# KiCad board ciaa_acc.kicad_pcb (continued)
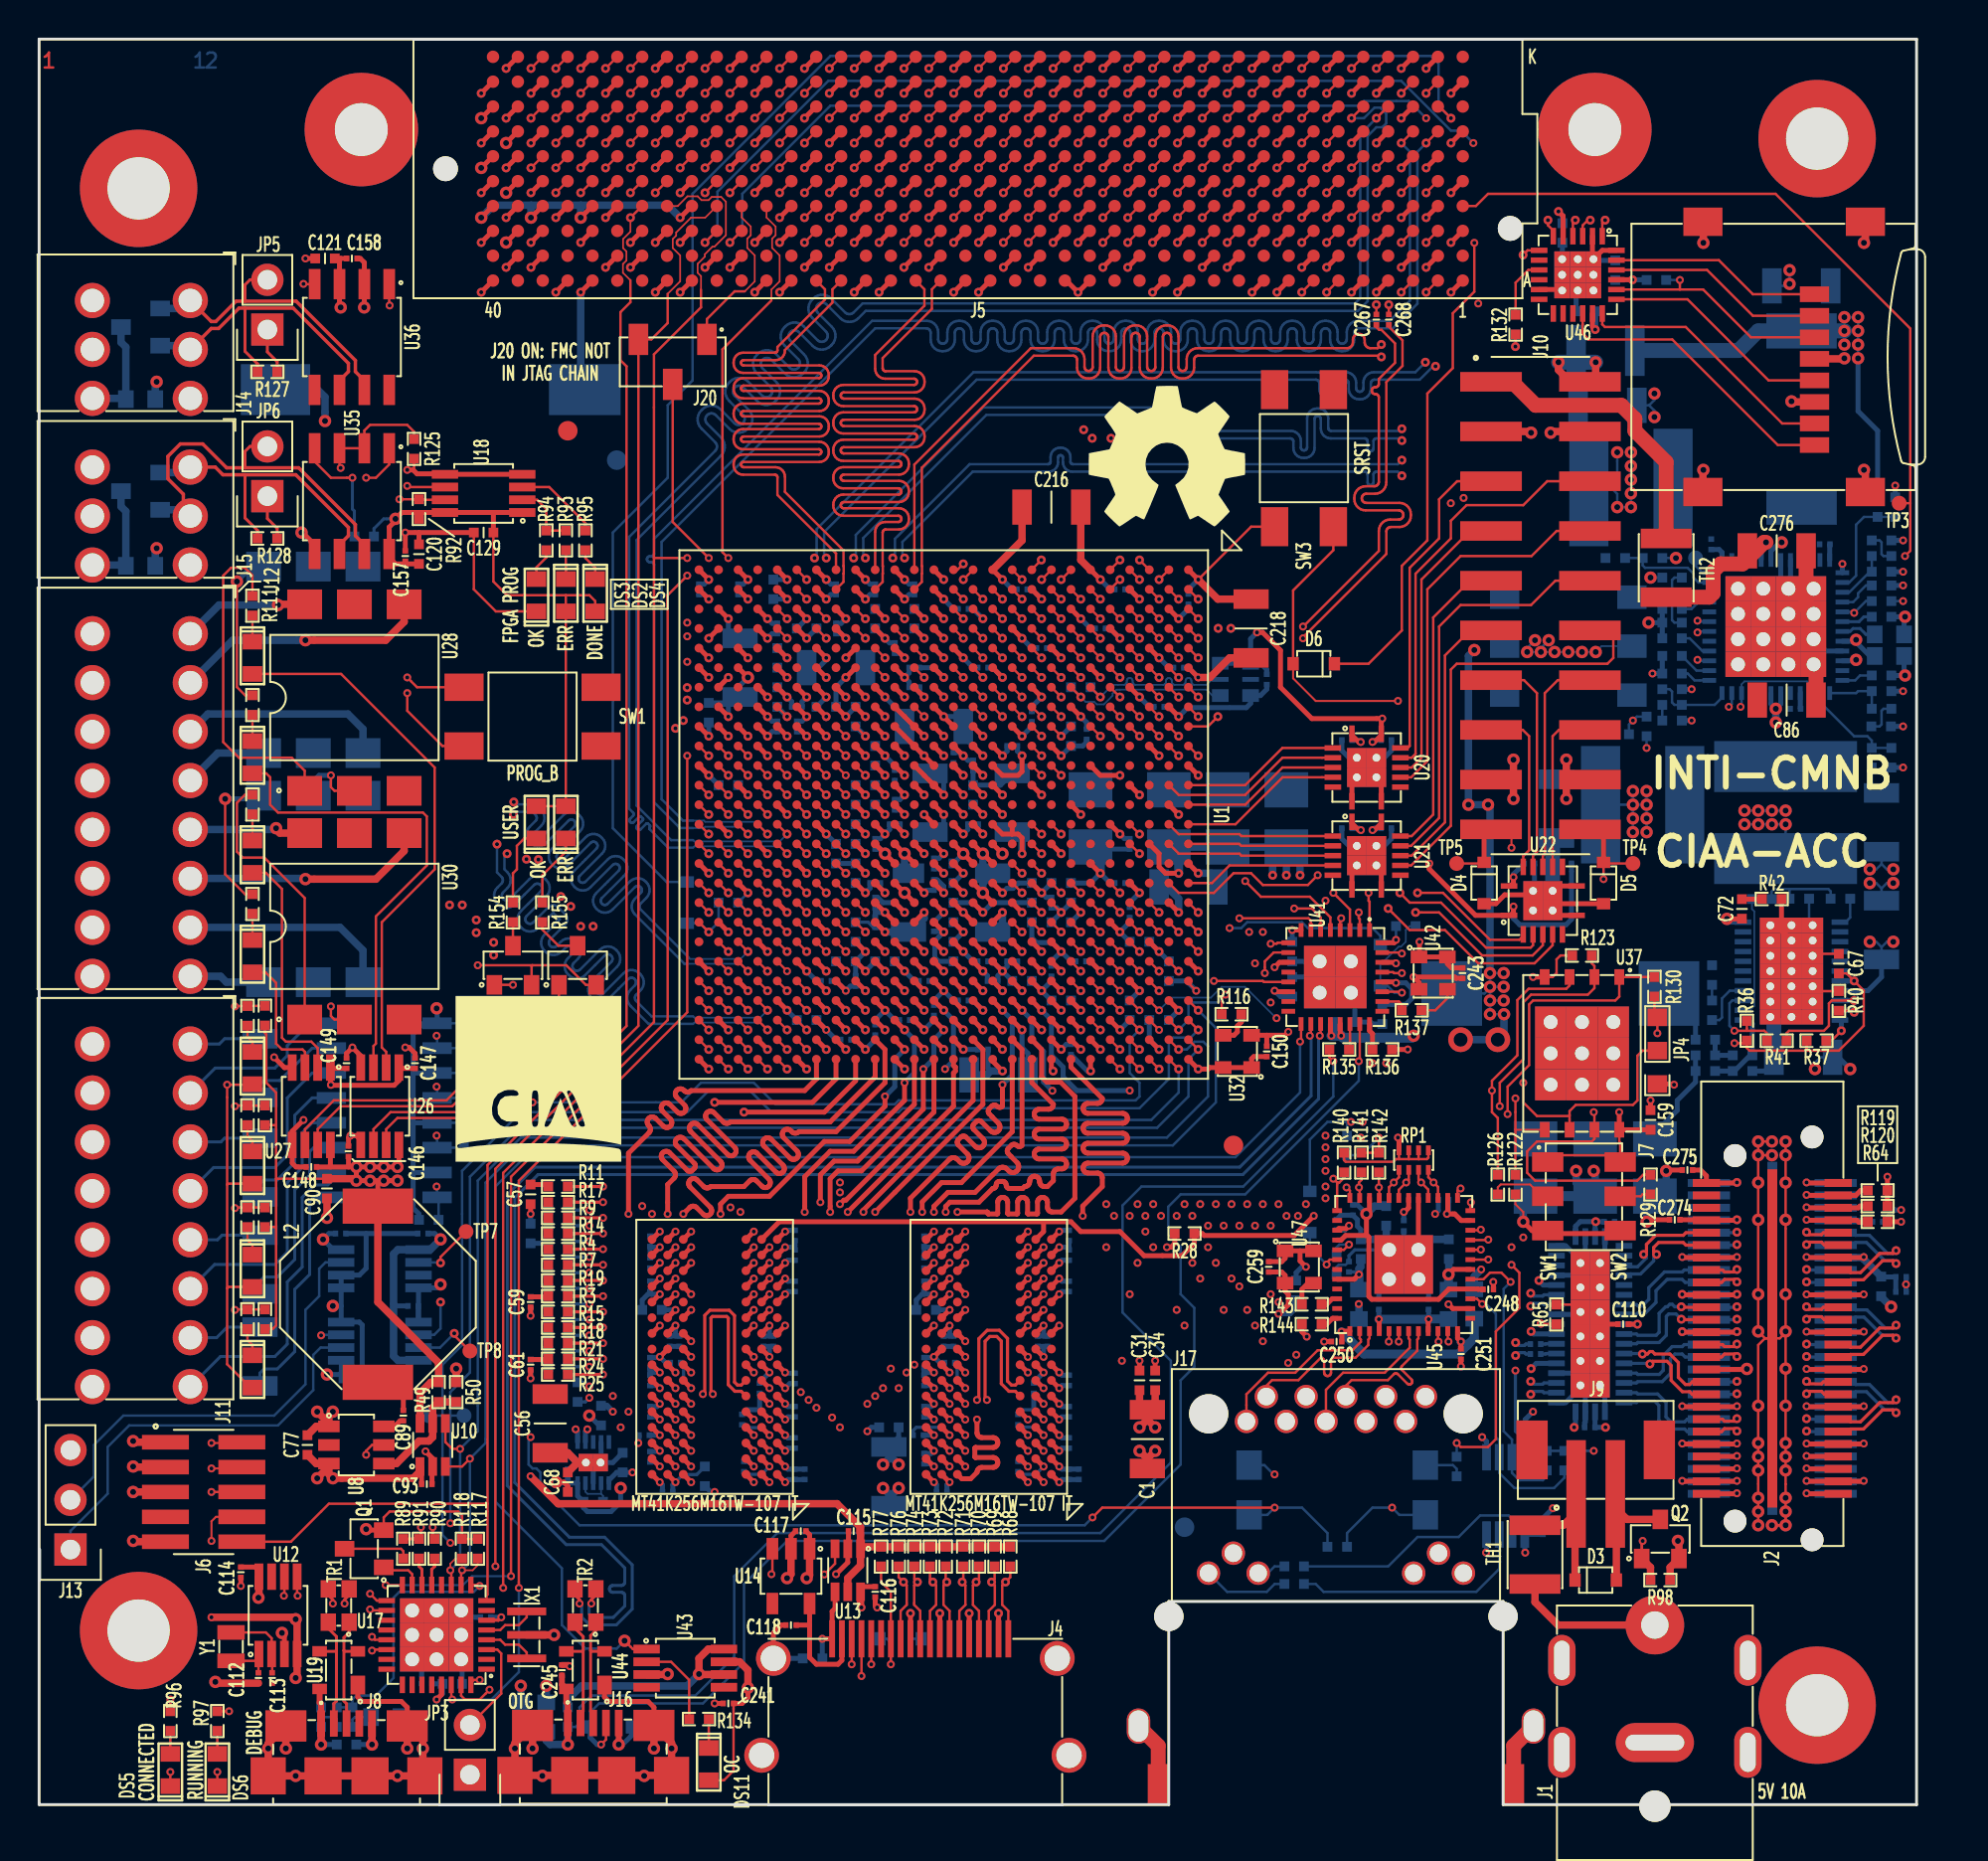
[diagram p0: board, top side]
## Routing (per net, layer and track width the routed paths; a pad name or vN(x,y) marks a point on that pad's centre or on a via; arc(x,y) is an arc through that point) (continued)
/Principal/BANKS_HP/FMC_HB_12_N: length 54.3
  TOP_L1.Sig w0.127: J5.F32 33.33,84.19 v2(32.74,83.59) ; U1.K1 v2(50.2,62.57)
  L5.Sig w0.089: v2(32.74,83.59) 33.25,83.59 33.75,84.1 34.26,84.1 34.52,83.85 34.52,83.34 34.26,83.09 34.01,83.09 33.51,82.59 33.51,80.62 33.18,80.28 32.29,80.28 32.24,80.23 32.24,76.55 29.92,74.23 29.92,74.04 29.91,73.95 29.88,73.86 29.83,73.79 29.77,73.72 29.69,73.67 29.6,73.64 29.51,73.63 28.95,73.63 28.91,73.63 28.88,73.61 28.85,73.59 28.82,73.57 28.8,73.54 28.79,73.5 28.79,73.47 28.79,73.43 28.8,73.4 28.82,73.37 28.85,73.34 28.88,73.32 28.91,73.31 28.95,73.31 29.51,73.31 29.6,73.3 29.69,73.27 29.77,73.22 29.83,73.15 29.88,73.07 29.91,72.99 29.92,72.89 29.92,72.84 29.91,72.75 29.88,72.66 29.83,72.59 29.77,72.52 29.69,72.47 29.6,72.44 29.51,72.43 28.95,72.43 28.91,72.43 28.88,72.41 28.85,72.39 28.82,72.37 28.8,72.34 28.79,72.3 28.79,72.27 28.79,72.23 28.8,72.2 28.82,72.17 28.85,72.14 28.88,72.12 28.91,72.11 28.95,72.11 29.51,72.11 29.6,72.1 29.69,72.07 29.77,72.02 29.83,71.95 29.88,71.87 29.91,71.79 29.92,71.69 29.92,71.64 29.91,71.55 29.88,71.46 29.83,71.39 29.77,71.32 29.69,71.27 29.6,71.24 29.51,71.23 28.95,71.23 28.91,71.23 28.88,71.21 28.85,71.19 28.82,71.17 28.8,71.14 28.79,71.1 28.79,71.07 28.79,71.03 28.8,71 28.82,70.97 28.85,70.94 28.88,70.92 28.91,70.91 28.95,70.91 29.51,70.91 29.6,70.9 29.69,70.87 29.77,70.82 29.83,70.75 29.88,70.67 29.91,70.59 29.92,70.49 29.92,69.59 29.94,69.57 30,69.5 30.04,69.41 30.06,69.32 30.06,69.23 30.04,69.14 30,69.06 29.94,68.98 29.55,68.59 29.52,68.56 29.51,68.53 29.5,68.49 29.5,68.46 29.51,68.42 29.52,68.39 29.55,68.36 29.57,68.34 29.61,68.32 29.64,68.32 29.68,68.32 29.71,68.32 29.74,68.34 29.77,68.36 30.63,69.22 30.69,69.27 30.76,69.3 30.84,69.32 30.91,69.32 30.99,69.3 31.06,69.27 31.12,69.22 31.25,69.08 31.3,69.02 31.34,68.95 31.35,68.88 31.35,68.8 31.34,68.73 31.3,68.66 31.25,68.6 30.39,67.74 30.37,67.71 30.36,67.68 30.35,67.64 30.35,67.61 30.36,67.57 30.37,67.54 30.39,67.51 30.42,67.49 30.45,67.48 30.49,67.47 30.53,67.47 30.56,67.48 30.59,67.49 30.62,67.51 31.02,67.91 31.09,67.97 31.17,68.01 31.26,68.03 31.36,68.03 31.45,68.01 31.53,67.97 31.6,67.91 32.03,67.48 46.26,67.48 49.84,63.9 49.84,62.93 v2(50.2,62.57)
/Principal/BANKS_HP/FMC_HB_12_P: length 54.3
  TOP_L1.Sig w0.127: v2(34.01,83.59) 34.6,84.19 J5.F31 ; U1.K2 v2(50.2,61.57)
  L5.Sig w0.089: v2(50.2,61.57) U1.K2 49.7,62.67 49.56,62.81 49.56,63.78 46.14,67.2 31.92,67.2 31.42,67.69 31.39,67.72 31.36,67.73 31.33,67.74 31.29,67.74 31.26,67.73 31.22,67.72 31.2,67.69 30.8,67.3 30.73,67.24 30.64,67.2 30.55,67.18 30.46,67.18 30.37,67.2 30.29,67.24 30.21,67.3 30.18,67.33 30.12,67.41 30.08,67.49 30.06,67.58 30.06,67.67 30.08,67.76 30.12,67.85 30.18,67.92 31.04,68.78 31.05,68.8 31.06,68.81 31.07,68.83 31.07,68.85 31.06,68.87 31.05,68.89 31.04,68.9 30.93,69.01 30.92,69.02 30.9,69.03 30.88,69.03 30.86,69.03 30.85,69.03 30.83,69.02 30.82,69.01 29.95,68.15 29.88,68.09 29.8,68.05 29.71,68.03 29.61,68.03 29.52,68.05 29.44,68.09 29.37,68.15 29.33,68.18 29.27,68.25 29.23,68.34 29.21,68.43 29.21,68.52 29.23,68.61 29.27,68.7 29.33,68.77 29.73,69.16 29.75,69.19 29.76,69.22 29.77,69.26 29.77,69.3 29.76,69.33 29.75,69.36 29.73,69.39 29.64,69.47 29.64,70.47 29.64,70.5 29.63,70.54 29.61,70.57 29.58,70.59 29.55,70.61 29.52,70.63 29.48,70.63 28.92,70.63 28.83,70.64 28.74,70.67 28.67,70.72 28.6,70.79 28.55,70.86 28.52,70.95 28.51,71.04 28.51,71.09 28.52,71.19 28.55,71.27 28.6,71.35 28.67,71.42 28.74,71.47 28.83,71.5 28.92,71.51 29.48,71.51 29.52,71.51 29.55,71.52 29.58,71.54 29.61,71.57 29.63,71.6 29.64,71.63 29.64,71.67 29.64,71.7 29.63,71.74 29.61,71.77 29.58,71.79 29.55,71.81 29.52,71.83 29.48,71.83 28.92,71.83 28.83,71.84 28.74,71.87 28.67,71.92 28.6,71.99 28.55,72.06 28.52,72.15 28.51,72.24 28.51,72.29 28.52,72.39 28.55,72.47 28.6,72.55 28.67,72.62 28.74,72.67 28.83,72.7 28.92,72.71 29.48,72.71 29.52,72.71 29.55,72.72 29.58,72.74 29.61,72.77 29.63,72.8 29.64,72.83 29.64,72.87 29.64,72.9 29.63,72.94 29.61,72.97 29.58,72.99 29.55,73.01 29.52,73.03 29.48,73.03 28.92,73.03 28.83,73.04 28.74,73.07 28.67,73.12 28.6,73.19 28.55,73.26 28.52,73.35 28.51,73.44 28.51,73.49 28.52,73.59 28.55,73.67 28.6,73.75 28.67,73.82 28.74,73.87 28.83,73.9 28.92,73.91 29.48,73.91 29.52,73.91 29.55,73.92 29.58,73.94 29.61,73.97 29.63,74 29.64,74.03 29.64,74.07 29.64,74.35 30.49,75.19 30.51,75.21 30.51,75.23 30.52,75.25 30.52,75.28 30.51,75.3 30.51,75.32 30.49,75.34 30.47,75.36 30.45,75.38 30.44,75.4 30.44,75.42 30.44,75.44 30.44,75.46 30.45,75.48 30.47,75.5 30.48,75.52 30.51,75.53 30.53,75.53 30.55,75.53 30.57,75.53 30.59,75.52 30.61,75.5 30.63,75.48 30.65,75.46 30.67,75.45 30.69,75.45 30.71,75.45 30.74,75.45 30.76,75.46 30.77,75.48 30.79,75.5 30.8,75.52 30.8,75.54 30.8,75.56 30.8,75.58 30.79,75.6 30.77,75.62 30.75,75.64 30.74,75.66 30.73,75.68 30.72,75.7 30.72,75.72 30.73,75.75 30.74,75.77 30.75,75.78 30.77,75.8 30.79,75.81 30.81,75.81 30.83,75.81 30.85,75.81 30.87,75.8 30.89,75.78 30.92,75.76 30.93,75.75 30.95,75.74 30.98,75.73 31,75.73 31.02,75.74 31.04,75.75 31.06,75.76 31.07,75.78 31.08,75.8 31.09,75.82 31.09,75.84 31.08,75.86 31.07,75.88 31.06,75.9 31.03,75.93 31.02,75.94 31.01,75.96 31,75.99 31,76.01 31.01,76.03 31.02,76.05 31.03,76.07 31.05,76.08 31.07,76.09 31.09,76.1 31.12,76.1 31.14,76.09 31.16,76.08 31.17,76.07 31.2,76.04 31.22,76.03 31.24,76.02 31.26,76.01 31.28,76.01 31.3,76.02 31.32,76.03 31.34,76.04 31.35,76.06 31.36,76.08 31.37,76.1 31.37,76.13 31.36,76.15 31.35,76.17 31.34,76.18 31.32,76.21 31.3,76.23 31.29,76.25 31.29,76.27 31.29,76.29 31.29,76.31 31.3,76.33 31.32,76.35 31.33,76.36 31.35,76.37 31.38,76.38 31.4,76.38 31.42,76.37 31.44,76.36 31.46,76.35 31.48,76.33 31.5,76.31 31.52,76.3 31.54,76.3 31.56,76.3 31.58,76.3 31.61,76.31 31.62,76.33 31.64,76.34 31.65,76.36 31.65,76.39 31.65,76.41 31.65,76.43 31.64,76.45 31.62,76.47 31.6,76.49 31.58,76.51 31.58,76.53 31.57,76.55 31.57,76.57 31.58,76.6 31.58,76.62 31.6,76.63 31.62,76.65 31.64,76.66 31.66,76.66 31.68,76.66 31.7,76.66 31.72,76.65 31.74,76.63 31.76,76.61 31.78,76.6 31.8,76.59 31.82,76.58 31.85,76.58 31.87,76.59 31.89,76.6 31.91,76.61 31.96,76.67 31.96,80.35 32.17,80.56 33.06,80.56 33.23,80.73 33.23,82.82 v2(34.01,83.59)
/Principal/BANKS_HP/FMC_HB_13_N: length 54.3
  TOP_L1.Sig w0.127: U1.H1 v2(51.2,62.57) ; J5.E31 34.6,82.92 v2(34.01,82.32)
  L5.Sig w0.089: v2(34.01,82.32) 34.5,81.83 34.5,79.34 34.45,79.29 33.44,79.29 33.23,79.08 33.23,76.67 31.46,74.89 31.46,74.14 31.47,74.05 31.5,73.96 31.55,73.89 31.61,73.82 31.69,73.77 31.78,73.74 31.87,73.73 32.48,73.73 32.52,73.73 32.55,73.71 32.58,73.7 32.61,73.67 32.63,73.64 32.64,73.61 32.64,73.57 32.64,73.53 32.63,73.5 32.61,73.47 32.58,73.44 32.55,73.43 32.52,73.41 32.48,73.41 30.68,73.41 30.59,73.4 30.5,73.37 30.42,73.32 30.36,73.25 30.31,73.18 30.28,73.09 30.27,73 30.27,72.94 30.28,72.85 30.31,72.76 30.36,72.69 30.42,72.62 30.5,72.57 30.59,72.54 30.68,72.53 32.48,72.53 32.52,72.53 32.55,72.51 32.58,72.5 32.61,72.47 32.63,72.44 32.64,72.41 32.64,72.37 32.64,72.33 32.63,72.3 32.61,72.27 32.58,72.24 32.55,72.23 32.52,72.21 32.48,72.21 30.68,72.21 30.59,72.2 30.5,72.17 30.42,72.12 30.36,72.05 30.31,71.98 30.28,71.89 30.27,71.8 30.27,71.74 30.28,71.65 30.31,71.56 30.36,71.49 30.42,71.42 30.5,71.37 30.59,71.34 30.68,71.33 32.48,71.33 32.52,71.33 32.55,71.31 32.58,71.3 32.61,71.27 32.63,71.24 32.64,71.21 32.64,71.17 32.64,71.13 32.63,71.1 32.61,71.07 32.58,71.04 32.55,71.03 32.52,71.01 32.48,71.01 30.68,71.01 30.59,71 30.5,70.97 30.42,70.92 30.36,70.85 30.31,70.78 30.28,70.69 30.27,70.6 30.27,70.54 30.28,70.45 30.31,70.36 30.36,70.29 30.42,70.22 30.5,70.17 30.59,70.14 30.68,70.13 32.48,70.13 32.52,70.13 32.55,70.11 32.58,70.1 32.61,70.07 32.63,70.04 32.64,70.01 32.64,69.97 32.64,69.93 32.63,69.9 32.61,69.87 32.58,69.84 32.55,69.83 32.52,69.81 32.48,69.81 31.87,69.81 31.78,69.8 31.69,69.77 31.61,69.72 31.55,69.65 31.5,69.58 31.47,69.49 31.46,69.4 31.46,69.19 32.68,67.96 46.52,67.96 50.7,63.78 50.7,63.07 v2(51.2,62.57)
/Principal/BANKS_HP/FMC_HB_13_P: length 54.3
  TOP_L1.Sig w0.127: U1.J1 50.7,63.08 v2(51.19,63.57) ; v2(35.28,82.32) 35.87,82.92 J5.E30
  L5.Sig w0.089: v2(35.28,82.32) 34.78,81.83 34.78,79.22 34.57,79.01 33.56,79.01 33.51,78.96 33.51,76.55 31.73,74.77 31.73,74.17 31.74,74.13 31.75,74.1 31.77,74.07 31.8,74.04 31.83,74.03 31.86,74.01 31.9,74.01 32.51,74.01 32.6,74 32.69,73.97 32.77,73.92 32.83,73.85 32.88,73.78 32.91,73.69 32.92,73.6 32.92,73.54 32.91,73.45 32.88,73.36 32.83,73.29 32.77,73.22 32.69,73.17 32.6,73.14 32.51,73.13 30.71,73.13 30.67,73.13 30.64,73.11 30.61,73.1 30.58,73.07 30.56,73.04 30.55,73.01 30.55,72.97 30.55,72.93 30.56,72.9 30.58,72.87 30.61,72.84 30.64,72.83 30.67,72.81 30.71,72.81 32.51,72.81 32.6,72.8 32.69,72.77 32.77,72.72 32.83,72.65 32.88,72.58 32.91,72.49 32.92,72.4 32.92,72.34 32.91,72.25 32.88,72.16 32.83,72.09 32.77,72.02 32.69,71.97 32.6,71.94 32.51,71.93 30.71,71.93 30.67,71.93 30.64,71.91 30.61,71.9 30.58,71.87 30.56,71.84 30.55,71.81 30.55,71.77 30.55,71.73 30.56,71.7 30.58,71.67 30.61,71.64 30.64,71.63 30.67,71.61 30.71,71.61 32.51,71.61 32.6,71.6 32.69,71.57 32.77,71.52 32.83,71.45 32.88,71.38 32.91,71.29 32.92,71.2 32.92,71.14 32.91,71.05 32.88,70.96 32.83,70.89 32.77,70.82 32.69,70.77 32.6,70.74 32.51,70.73 30.71,70.73 30.67,70.73 30.64,70.71 30.61,70.7 30.58,70.67 30.56,70.64 30.55,70.61 30.55,70.57 30.55,70.53 30.56,70.5 30.58,70.47 30.61,70.44 30.64,70.43 30.67,70.41 30.71,70.41 32.51,70.41 32.6,70.4 32.69,70.37 32.77,70.32 32.83,70.25 32.88,70.18 32.91,70.09 32.92,70 32.92,69.94 32.91,69.85 32.88,69.76 32.83,69.69 32.77,69.62 32.69,69.57 32.6,69.54 32.51,69.53 31.9,69.53 31.86,69.53 31.83,69.51 31.8,69.5 31.77,69.47 31.75,69.44 31.74,69.41 31.73,69.37 31.73,69.3 32.8,68.24 32.86,68.25 32.93,68.27 32.98,68.31 33.03,68.35 33.07,68.41 33.09,68.47 33.1,68.54 33.1,68.76 33.1,68.83 33.13,68.89 33.16,68.95 33.21,69 33.27,69.03 33.33,69.06 33.4,69.06 33.46,69.06 33.53,69.03 33.58,69 33.63,68.95 33.67,68.89 33.69,68.83 33.7,68.76 33.7,68.54 33.7,68.47 33.73,68.41 33.76,68.35 33.81,68.31 33.87,68.27 33.93,68.25 34,68.24 35.12,68.24 46.64,68.24 51.19,63.69 v2(51.19,63.57)
/Principal/BANKS_HP/FMC_HB_14_N: length 54.3
  TOP_L1.Sig w0.127: U1.N2 v2(47.2,61.57) ; J5.K35 29.52,89.27 v2(28.93,88.67)
  L3.Sig w0.089: v2(47.2,61.57) 47.57,61.94 47.57,63.6 45.5,65.67 33.82,65.67 29.42,70.07 29.42,70.57 29.42,70.61 29.41,70.64 29.39,70.67 29.36,70.7 29.33,70.71 29.3,70.73 29.26,70.73 28.73,70.73 28.64,70.74 28.55,70.77 28.47,70.82 28.41,70.89 28.36,70.96 28.33,71.05 28.32,71.14 28.32,71.2 28.33,71.29 28.36,71.38 28.41,71.45 28.47,71.52 28.55,71.57 28.64,71.6 28.73,71.61 29.26,71.61 29.3,71.61 29.33,71.63 29.36,71.64 29.39,71.67 29.41,71.7 29.42,71.73 29.42,71.77 29.42,71.81 29.41,71.84 29.39,71.87 29.36,71.9 29.33,71.91 29.3,71.93 29.26,71.93 28.73,71.93 28.64,71.94 28.55,71.97 28.47,72.02 28.41,72.09 28.36,72.16 28.33,72.25 28.32,72.34 28.32,72.4 28.33,72.49 28.36,72.58 28.41,72.65 28.47,72.72 28.55,72.77 28.64,72.8 28.73,72.81 29.26,72.81 29.3,72.81 29.33,72.83 29.36,72.84 29.39,72.87 29.41,72.9 29.42,72.93 29.42,72.97 29.42,73.01 29.41,73.04 29.39,73.07 29.36,73.1 29.33,73.11 29.3,73.13 29.26,73.13 28.73,73.13 28.64,73.14 28.55,73.17 28.47,73.22 28.41,73.29 28.36,73.36 28.33,73.45 28.32,73.54 28.32,73.6 28.33,73.69 28.36,73.78 28.41,73.85 28.47,73.92 28.55,73.97 28.64,74 28.73,74.01 29.26,74.01 29.3,74.01 29.33,74.03 29.36,74.04 29.39,74.07 29.41,74.1 29.42,74.13 29.42,74.17 29.42,74.21 29.41,74.24 29.39,74.27 29.36,74.3 29.33,74.31 29.3,74.33 29.26,74.33 28.73,74.33 28.64,74.34 28.55,74.37 28.47,74.42 28.41,74.49 28.36,74.56 28.33,74.65 28.32,74.74 28.32,74.8 28.33,74.89 28.36,74.98 28.41,75.05 28.47,75.12 28.55,75.17 28.64,75.2 28.73,75.21 29.26,75.21 29.3,75.21 29.33,75.23 29.36,75.24 29.39,75.27 29.41,75.3 29.42,75.33 29.42,75.37 29.42,75.41 29.41,75.44 29.39,75.47 29.36,75.5 29.33,75.51 29.3,75.53 29.26,75.53 28.73,75.53 28.64,75.54 28.55,75.57 28.47,75.62 28.41,75.69 28.36,75.76 28.33,75.85 28.32,75.94 28.32,76 28.33,76.09 28.36,76.18 28.41,76.25 28.47,76.32 28.55,76.37 28.64,76.4 28.73,76.41 30.02,76.41 30.05,76.41 30.09,76.43 30.12,76.44 30.14,76.47 30.16,76.5 30.18,76.53 30.18,76.57 30.18,76.61 30.16,76.64 30.14,76.67 30.12,76.7 30.09,76.71 30.05,76.73 30.02,76.73 29.84,76.73 29.75,76.74 29.66,76.77 29.58,76.82 29.51,76.89 29.46,76.96 29.43,77.05 29.42,77.14 29.42,79.28 29.42,79.34 29.39,79.41 29.36,79.46 29.31,79.51 29.25,79.55 29.19,79.57 29.12,79.58 28.91,79.58 28.85,79.58 28.78,79.61 28.72,79.64 28.68,79.69 28.64,79.75 28.62,79.81 28.61,79.88 28.62,79.94 28.64,80.01 28.68,80.06 28.72,80.11 28.78,80.15 28.85,80.17 28.91,80.18 29.12,80.18 29.19,80.18 29.25,80.21 29.31,80.24 29.36,80.29 29.39,80.35 29.42,80.41 29.42,80.48 29.42,88.18 v2(28.93,88.67)
/Principal/BANKS_HP/FMC_HB_14_P: length 54.3
  TOP_L1.Sig w0.127: U1.N3 v2(47.2,60.57) ; J5.K34 30.79,89.27 v2(30.2,88.67)
  L3.Sig w0.089: v2(30.2,88.67) 29.7,88.18 29.7,77.17 29.71,77.13 29.72,77.1 29.74,77.07 29.76,77.04 29.79,77.03 29.83,77.01 29.86,77.01 30.04,77.01 30.14,77 30.22,76.97 30.3,76.92 30.37,76.85 30.42,76.78 30.45,76.69 30.46,76.6 30.46,76.54 30.45,76.45 30.42,76.36 30.37,76.29 30.3,76.22 30.22,76.17 30.14,76.14 30.04,76.13 28.76,76.13 28.72,76.13 28.69,76.11 28.66,76.1 28.63,76.07 28.61,76.04 28.6,76.01 28.6,75.97 28.6,75.93 28.61,75.9 28.63,75.87 28.66,75.84 28.69,75.83 28.72,75.81 28.76,75.81 29.29,75.81 29.38,75.8 29.47,75.77 29.55,75.72 29.61,75.65 29.66,75.58 29.69,75.49 29.7,75.4 29.7,75.34 29.69,75.25 29.66,75.16 29.61,75.09 29.55,75.02 29.47,74.97 29.38,74.94 29.29,74.93 28.76,74.93 28.72,74.93 28.69,74.91 28.66,74.9 28.63,74.87 28.61,74.84 28.6,74.81 28.6,74.77 28.6,74.73 28.61,74.7 28.63,74.67 28.66,74.64 28.69,74.63 28.72,74.61 28.76,74.61 29.29,74.61 29.38,74.6 29.47,74.57 29.55,74.52 29.61,74.45 29.66,74.38 29.69,74.29 29.7,74.2 29.7,74.14 29.69,74.05 29.66,73.96 29.61,73.89 29.55,73.82 29.47,73.77 29.38,73.74 29.29,73.73 28.76,73.73 28.72,73.73 28.69,73.71 28.66,73.7 28.63,73.67 28.61,73.64 28.6,73.61 28.6,73.57 28.6,73.53 28.61,73.5 28.63,73.47 28.66,73.44 28.69,73.43 28.72,73.41 28.76,73.41 29.29,73.41 29.38,73.4 29.47,73.37 29.55,73.32 29.61,73.25 29.66,73.18 29.69,73.09 29.7,73 29.7,72.94 29.69,72.85 29.66,72.76 29.61,72.69 29.55,72.62 29.47,72.57 29.38,72.54 29.29,72.53 28.76,72.53 28.72,72.53 28.69,72.51 28.66,72.5 28.63,72.47 28.61,72.44 28.6,72.41 28.6,72.37 28.6,72.33 28.61,72.3 28.63,72.27 28.66,72.24 28.69,72.23 28.72,72.21 28.76,72.21 29.29,72.21 29.38,72.2 29.47,72.17 29.55,72.12 29.61,72.05 29.66,71.98 29.69,71.89 29.7,71.8 29.7,71.74 29.69,71.65 29.66,71.56 29.61,71.49 29.55,71.42 29.47,71.37 29.38,71.34 29.29,71.33 28.76,71.33 28.72,71.33 28.69,71.31 28.66,71.3 28.63,71.27 28.61,71.24 28.6,71.21 28.6,71.17 28.6,71.13 28.61,71.1 28.63,71.07 28.66,71.04 28.69,71.03 28.72,71.01 28.76,71.01 29.29,71.01 29.38,71 29.47,70.97 29.55,70.92 29.61,70.85 29.66,70.78 29.69,70.69 29.7,70.6 29.7,70.19 33.94,65.95 45.61,65.95 47.84,63.73 47.84,63.15 47.82,63.13 47.82,61.19 v2(47.2,60.57)
/Principal/BANKS_HP/FMC_HB_15_N: length 54.4
  TOP_L1.Sig w0.127: J5.J34 30.79,88 v2(30.2,87.4) ; U1.L2 v2(49.2,61.57)
  L3.Sig w0.089: v2(30.2,87.4) 30.83,87.4 31.34,87.91 31.72,87.91 31.98,87.66 31.98,87.15 31.72,86.9 31.47,86.9 30.97,86.4 30.97,75.75 30.96,75.66 30.93,75.57 30.88,75.49 30.82,75.43 30.74,75.38 30.66,75.35 30.57,75.34 30.4,75.34 30.37,75.34 30.34,75.33 30.31,75.31 30.29,75.28 30.27,75.26 30.26,75.22 30.25,75.19 30.25,75.17 30.26,75.14 30.27,75.11 30.29,75.08 30.31,75.05 30.34,75.04 30.37,75.02 30.4,75.02 30.83,75.02 30.83,75.01 31.53,75.01 31.62,75 31.71,74.97 31.78,74.92 31.85,74.85 31.9,74.78 31.93,74.69 31.94,74.6 31.94,74.54 31.93,74.45 31.9,74.36 31.85,74.29 31.78,74.22 31.71,74.17 31.62,74.14 31.53,74.13 30.4,74.13 30.37,74.13 30.34,74.12 30.31,74.1 30.29,74.07 30.27,74.05 30.26,74.01 30.25,73.98 30.25,73.96 30.26,73.93 30.27,73.89 30.29,73.87 30.31,73.84 30.34,73.82 30.37,73.81 30.4,73.81 31.58,73.81 31.67,73.8 31.76,73.77 31.83,73.72 31.9,73.65 31.95,73.58 31.98,73.49 31.99,73.4 31.99,73.34 31.98,73.25 31.95,73.16 31.9,73.09 31.83,73.02 31.76,72.97 31.67,72.94 31.58,72.93 30.4,72.93 30.37,72.93 30.34,72.92 30.31,72.9 30.29,72.87 30.27,72.85 30.26,72.81 30.25,72.78 30.25,72.76 30.26,72.73 30.27,72.69 30.29,72.67 30.31,72.64 30.34,72.62 30.37,72.61 30.4,72.61 31.63,72.61 31.72,72.6 31.81,72.57 31.88,72.52 31.95,72.45 32,72.38 32.03,72.29 32.04,72.2 32.04,72.14 32.03,72.05 32,71.96 31.95,71.89 31.88,71.82 31.81,71.77 31.72,71.74 31.63,71.73 30.4,71.73 30.37,71.73 30.34,71.72 30.31,71.7 30.29,71.67 30.27,71.65 30.26,71.61 30.25,71.58 30.25,71.56 30.26,71.53 30.27,71.49 30.29,71.47 30.31,71.44 30.34,71.42 30.37,71.41 30.4,71.41 30.57,71.41 30.66,71.4 30.74,71.37 30.82,71.32 30.88,71.26 30.93,71.18 30.96,71.1 30.97,71.01 30.97,70.44 34.7,66.72 45.95,66.72 48.84,63.83 48.84,63.16 48.82,63.15 48.82,61.95 v2(49.2,61.57)
/Principal/BANKS_HP/FMC_HB_15_P: length 54.4
  TOP_L1.Sig w0.127: J5.J33 32.06,88 v2(31.47,87.4) ; U1.M2 v2(48.2,61.57)
  L3.Sig w0.089: v2(48.2,61.57) 48.57,61.94 48.57,63.15 48.56,63.16 48.56,63.71 45.84,66.44 34.59,66.44 30.69,70.33 30.69,70.98 30.69,71.01 30.68,71.05 30.66,71.07 30.64,71.1 30.61,71.12 30.58,71.13 30.54,71.13 30.38,71.13 30.29,71.14 30.2,71.17 30.13,71.22 30.06,71.28 30.02,71.36 29.99,71.44 29.98,71.53 29.98,71.61 29.99,71.7 30.02,71.78 30.06,71.86 30.13,71.92 30.2,71.97 30.29,72 30.38,72.01 31.6,72.01 31.64,72.01 31.67,72.03 31.7,72.04 31.73,72.07 31.75,72.1 31.76,72.13 31.76,72.17 31.76,72.21 31.75,72.24 31.73,72.27 31.7,72.3 31.67,72.31 31.64,72.33 31.6,72.33 30.38,72.33 30.29,72.34 30.2,72.37 30.13,72.42 30.06,72.48 30.02,72.56 29.99,72.64 29.98,72.73 29.98,72.81 29.99,72.9 30.02,72.98 30.06,73.06 30.13,73.12 30.2,73.17 30.29,73.2 30.38,73.21 31.55,73.21 31.59,73.21 31.62,73.23 31.65,73.24 31.68,73.27 31.7,73.3 31.71,73.33 31.71,73.37 31.71,73.41 31.7,73.44 31.68,73.47 31.65,73.5 31.62,73.51 31.59,73.53 31.55,73.53 30.38,73.53 30.29,73.54 30.2,73.57 30.13,73.62 30.06,73.68 30.02,73.76 29.99,73.84 29.98,73.93 29.98,74.01 29.99,74.1 30.02,74.18 30.06,74.26 30.13,74.32 30.2,74.37 30.29,74.4 30.38,74.41 31.5,74.41 31.54,74.41 31.57,74.43 31.6,74.44 31.63,74.47 31.65,74.5 31.66,74.53 31.66,74.57 31.66,74.61 31.65,74.64 31.63,74.67 31.6,74.7 31.57,74.71 31.54,74.73 31.5,74.73 30.83,74.73 30.83,74.74 30.38,74.74 30.29,74.75 30.2,74.78 30.13,74.83 30.06,74.89 30.02,74.97 29.99,75.06 29.98,75.15 29.98,75.22 29.99,75.31 30.02,75.39 30.06,75.47 30.13,75.53 30.2,75.58 30.29,75.61 30.38,75.62 30.54,75.62 30.58,75.62 30.61,75.64 30.64,75.65 30.66,75.68 30.68,75.71 30.69,75.74 30.69,75.77 30.69,77.12 30.69,77.14 30.68,77.17 30.67,77.19 30.65,77.21 30.62,77.23 30.6,77.24 30.57,77.24 30.37,77.24 30.34,77.25 30.31,77.25 30.29,77.27 30.27,77.29 30.26,77.31 30.25,77.34 30.24,77.37 30.25,77.39 30.26,77.42 30.27,77.44 30.29,77.46 30.31,77.48 30.34,77.49 30.37,77.49 30.57,77.49 30.6,77.5 30.62,77.5 30.65,77.52 30.67,77.54 30.68,77.56 30.69,77.59 30.69,77.62 30.69,77.64 30.68,77.67 30.67,77.69 30.65,77.71 30.62,77.73 30.6,77.74 30.57,77.74 30.37,77.74 30.34,77.75 30.31,77.75 30.29,77.77 30.27,77.79 30.26,77.81 30.25,77.84 30.24,77.87 30.25,77.89 30.26,77.92 30.27,77.94 30.29,77.96 30.31,77.98 30.34,77.99 30.37,77.99 30.57,77.99 30.6,78 30.62,78 30.65,78.02 30.67,78.04 30.68,78.06 30.69,78.09 30.69,78.12 30.69,78.77 30.69,78.8 30.68,78.83 30.66,78.86 30.64,78.89 30.61,78.9 30.58,78.91 30.54,78.92 30.1,78.92 30.07,78.92 30.04,78.93 30.01,78.95 29.98,78.97 29.97,79 29.95,79.03 29.95,79.07 29.95,79.1 29.97,79.13 29.98,79.16 30.01,79.19 30.04,79.2 30.07,79.21 30.1,79.22 30.54,79.22 30.58,79.22 30.61,79.23 30.64,79.25 30.66,79.27 30.68,79.3 30.69,79.33 30.69,79.37 30.69,86.63 v2(31.47,87.4)
/Principal/BANKS_HP/FMC_HB_16_N: length 54.3
  TOP_L1.Sig w0.127: U1.J5 v2(51.2,58.57) ; v2(28.93,83.59) 29.52,84.19 J5.F35
  L5.Sig w0.089: v2(51.2,58.57) 50.82,58.57 50.82,59.04 50.67,59.19 47.83,59.19 47.82,59.2 47.82,63.13 47.84,63.15 47.84,63.74 45.62,65.95 27.72,65.95 26.76,66.91 26.71,66.95 26.66,66.97 26.6,66.99 26.54,66.99 26.49,66.97 26.43,66.95 26.39,66.91 26.28,66.8 26.05,67.03 26.16,67.14 26.19,67.19 26.22,67.24 26.23,67.3 26.23,67.36 26.22,67.41 26.19,67.47 26.16,67.51 26.15,67.52 26.15,73 29.7,76.55 29.7,82.59 30.2,83.09 30.45,83.09 30.71,83.34 30.71,83.85 30.45,84.1 29.94,84.1 29.44,83.59 v2(28.93,83.59)
/Principal/BANKS_HP/FMC_HB_16_P: length 54.3
  TOP_L1.Sig w0.127: v2(30.2,83.59) 30.79,84.19 J5.F34 ; U1.K5 v2(50.2,58.57)
  L5.Sig w0.089: v2(50.2,58.57) 50.58,58.57 50.58,58.94 50.57,58.95 47.73,58.95 47.58,59.1 47.58,63.61 45.51,65.67 27.6,65.67 26.57,66.7 26.46,66.59 26.42,66.56 26.36,66.53 26.31,66.52 26.25,66.52 26.19,66.53 26.14,66.56 26.09,66.59 25.84,66.85 25.8,66.89 25.78,66.95 25.76,67 25.76,67.06 25.78,67.12 25.8,67.17 25.84,67.22 25.95,67.33 25.87,67.41 25.87,73.11 28.15,75.39 28.18,75.43 28.2,75.48 28.21,75.53 28.21,75.58 28.2,75.63 28.18,75.67 28.15,75.71 27.97,75.9 27.94,75.94 27.91,75.98 27.9,76.03 27.9,76.08 27.91,76.13 27.94,76.17 27.97,76.21 28.01,76.25 28.05,76.27 28.1,76.28 28.15,76.28 28.2,76.27 28.25,76.25 28.28,76.21 28.47,76.03 28.51,76 28.55,75.98 28.6,75.97 28.65,75.97 28.7,75.98 28.75,76 28.79,76.03 28.82,76.07 28.84,76.12 28.85,76.16 28.85,76.21 28.84,76.26 28.82,76.31 28.79,76.35 28.78,76.36 28.75,76.39 28.73,76.44 28.72,76.49 28.72,76.54 28.73,76.59 28.75,76.63 28.78,76.67 28.82,76.71 28.86,76.73 28.91,76.74 28.96,76.74 29.01,76.73 29.06,76.71 29.1,76.67 29.11,76.67 29.14,76.64 29.19,76.61 29.24,76.6 29.29,76.6 29.34,76.61 29.38,76.64 29.42,76.67 29.42,77.23 29.42,77.28 29.4,77.33 29.37,77.37 29.34,77.41 29.3,77.44 29.25,77.45 29.2,77.46 28.94,77.46 28.89,77.46 28.84,77.48 28.8,77.51 28.76,77.54 28.74,77.59 28.72,77.63 28.71,77.68 28.72,77.73 28.74,77.78 28.76,77.82 28.8,77.86 28.84,77.89 28.89,77.9 28.94,77.91 29.2,77.91 29.25,77.91 29.3,77.93 29.34,77.96 29.37,77.99 29.4,78.04 29.42,78.08 29.42,78.13 29.42,82.82 v2(30.2,83.59)
/Principal/BANKS_HP/FMC_HB_17_N: length 54.3
  TOP_L1.Sig w0.127: v2(25.12,88.67) 25.71,89.27 J5.K38 ; U1.M5 v2(48.2,58.57)
  L3.Sig w0.089: v2(48.2,58.57) 47.82,58.19 45.9,58.19 45.82,58.27 45.82,63.07 45.84,63.09 45.84,63.7 45.11,64.43 32.67,64.43 25.89,71.21 25.89,71.88 25.88,71.97 25.85,72.06 25.8,72.14 25.74,72.2 25.66,72.25 25.57,72.28 25.48,72.29 25.14,72.29 25.1,72.3 25.07,72.31 25.04,72.33 25.01,72.35 25,72.38 24.98,72.42 24.98,72.45 24.98,72.49 25,72.52 25.01,72.55 25.04,72.58 25.07,72.6 25.1,72.61 25.14,72.61 25.48,72.61 25.57,72.62 25.66,72.65 25.74,72.7 25.8,72.77 25.85,72.85 25.88,72.94 25.89,73.03 25.89,87.67 26.39,88.17 26.64,88.17 26.9,88.42 26.9,88.93 26.64,89.18 26.26,89.18 25.75,88.67 v2(25.12,88.67)
/Principal/BANKS_HP/FMC_HB_17_P: length 54.3
  TOP_L1.Sig w0.127: U1.M6 v2(48.2,57.57) ; J5.K37 26.98,89.27 v2(26.39,88.67)
  L3.Sig w0.089: v2(48.2,57.57) 47.82,57.95 45.8,57.95 45.58,58.17 45.58,63.07 45.56,63.08 45.56,63.59 45,64.15 32.55,64.15 25.61,71.09 25.61,71.85 25.61,71.89 25.6,71.92 25.58,71.95 25.55,71.98 25.52,72 25.49,72.01 25.45,72.01 25.11,72.01 25.02,72.02 24.93,72.05 24.86,72.1 24.79,72.17 24.74,72.25 24.71,72.34 24.7,72.43 24.7,72.48 24.71,72.57 24.74,72.66 24.79,72.74 24.86,72.8 24.93,72.85 25.02,72.88 25.11,72.89 25.45,72.89 25.49,72.9 25.52,72.91 25.55,72.93 25.58,72.95 25.6,72.98 25.61,73.02 25.61,73.05 25.61,74.45 25.61,74.48 25.6,74.52 25.58,74.54 25.56,74.57 25.53,74.59 25.5,74.6 25.46,74.6 25.09,74.6 25.05,74.6 25.02,74.61 24.99,74.63 24.97,74.66 24.95,74.68 24.94,74.72 24.94,74.75 24.94,74.78 24.95,74.82 24.97,74.84 24.99,74.87 25.02,74.89 25.05,74.9 25.09,74.9 25.46,74.9 25.5,74.9 25.53,74.91 25.56,74.93 25.58,74.96 25.6,74.98 25.61,75.02 25.61,75.05 25.61,75.08 25.6,75.12 25.58,75.14 25.56,75.17 25.53,75.19 25.5,75.2 25.46,75.2 25.09,75.2 25.05,75.2 25.02,75.21 24.99,75.23 24.97,75.26 24.95,75.28 24.94,75.32 24.94,75.35 24.94,75.38 24.95,75.42 24.97,75.44 24.99,75.47 25.02,75.49 25.05,75.5 25.09,75.5 25.46,75.5 25.5,75.5 25.53,75.51 25.56,75.53 25.58,75.56 25.6,75.58 25.61,75.62 25.61,75.65 25.61,87.9 v2(26.39,88.67)
/Principal/BANKS_HP/FMC_HB_18_N: length 54.3
  TOP_L1.Sig w0.127: U1.M4 v2(48.2,59.57) ; v2(26.39,87.4) 26.98,88 J5.J37
  L3.Sig w0.089: v2(48.2,59.57) 47.87,59.57 47.47,59.97 47.24,59.97 46.83,60.39 46.83,63.65 46.84,63.66 46.84,63.74 45.39,65.19 33.05,65.19 27.16,71.08 27.16,72.57 27.17,72.61 27.18,72.65 27.2,72.69 27.23,72.71 27.27,72.74 27.31,72.75 27.35,72.76 27.71,72.76 27.81,72.77 27.9,72.8 27.99,72.85 28.06,72.92 28.11,73 28.14,73.1 28.15,73.19 28.15,73.25 28.14,73.34 28.11,73.44 28.06,73.52 27.99,73.59 27.9,73.64 27.81,73.67 27.71,73.68 26.56,73.68 26.52,73.69 26.48,73.7 26.44,73.73 26.41,73.75 26.39,73.79 26.38,73.83 26.37,73.87 26.38,73.91 26.39,73.95 26.41,73.99 26.44,74.01 26.48,74.04 26.52,74.05 26.56,74.06 27.66,74.06 27.76,74.07 27.85,74.1 27.94,74.15 28.01,74.22 28.06,74.3 28.09,74.4 28.1,74.49 28.1,74.55 28.09,74.64 28.06,74.74 28.01,74.82 27.94,74.89 27.85,74.94 27.76,74.97 27.66,74.98 26.56,74.98 26.52,74.99 26.48,75 26.44,75.03 26.41,75.05 26.39,75.09 26.38,75.13 26.37,75.17 26.38,75.21 26.39,75.25 26.41,75.29 26.44,75.31 26.48,75.34 26.52,75.35 26.56,75.36 26.72,75.36 26.82,75.37 26.91,75.4 27,75.45 27.07,75.52 27.12,75.6 27.15,75.7 27.16,75.79 27.16,86.4 27.66,86.9 27.91,86.9 28.17,87.15 28.17,87.66 27.91,87.91 27.53,87.91 27.02,87.4 v2(26.39,87.4)
/Principal/BANKS_HP/FMC_HB_18_P: length 54.3
  TOP_L1.Sig w0.127: J5.J36 28.25,88 v2(27.66,87.4) ; U1.N4 v2(47.2,59.57)
  L3.Sig w0.089: v2(47.2,59.57) 46.58,60.19 46.58,63.13 46.56,63.15 46.56,63.63 45.28,64.91 32.93,64.91 26.88,70.96 26.88,72.6 26.89,72.69 26.93,72.79 26.98,72.87 27.05,72.94 27.13,72.99 27.22,73.02 27.32,73.03 27.69,73.03 27.73,73.04 27.77,73.05 27.8,73.08 27.83,73.1 27.85,73.14 27.87,73.18 27.87,73.22 27.87,73.26 27.85,73.3 27.83,73.34 27.8,73.36 27.77,73.39 27.73,73.4 27.69,73.41 26.53,73.41 26.43,73.42 26.34,73.45 26.26,73.5 26.19,73.57 26.14,73.65 26.1,73.75 26.09,73.84 26.09,73.9 26.1,73.99 26.14,74.09 26.19,74.17 26.26,74.24 26.34,74.29 26.43,74.32 26.53,74.33 27.64,74.33 27.68,74.34 27.72,74.35 27.75,74.38 27.78,74.4 27.8,74.44 27.82,74.48 27.82,74.52 27.82,74.56 27.8,74.6 27.78,74.64 27.75,74.66 27.72,74.69 27.68,74.7 27.64,74.71 26.53,74.71 26.43,74.72 26.34,74.75 26.26,74.8 26.19,74.87 26.14,74.95 26.1,75.05 26.09,75.14 26.09,75.2 26.1,75.29 26.14,75.39 26.19,75.47 26.26,75.54 26.34,75.59 26.43,75.62 26.53,75.63 26.7,75.63 26.74,75.64 26.78,75.65 26.81,75.68 26.84,75.7 26.86,75.74 26.88,75.78 26.88,75.82 26.88,78.01 26.88,78.03 26.87,78.06 26.86,78.08 26.84,78.1 26.81,78.12 26.79,78.13 26.76,78.13 26.36,78.13 26.33,78.13 26.31,78.14 26.28,78.16 26.26,78.18 26.25,78.2 26.24,78.23 26.24,78.26 26.24,78.28 26.25,78.31 26.26,78.33 26.28,78.35 26.31,78.37 26.33,78.38 26.36,78.38 26.76,78.38 26.79,78.38 26.81,78.39 26.84,78.41 26.86,78.43 26.87,78.45 26.88,78.48 26.88,78.51 26.88,78.53 26.87,78.56 26.86,78.58 26.84,78.6 26.81,78.62 26.79,78.63 26.76,78.63 26.36,78.63 26.33,78.63 26.31,78.64 26.28,78.66 26.26,78.68 26.25,78.7 26.24,78.73 26.24,78.76 26.24,78.78 26.25,78.81 26.26,78.83 26.28,78.85 26.31,78.87 26.33,78.88 26.36,78.88 26.76,78.88 26.79,78.88 26.81,78.89 26.84,78.91 26.86,78.93 26.87,78.95 26.88,78.98 26.88,79.01 26.88,79.03 26.87,79.06 26.86,79.08 26.84,79.1 26.81,79.12 26.79,79.13 26.76,79.13 26.36,79.13 26.33,79.13 26.31,79.14 26.28,79.16 26.26,79.18 26.25,79.2 26.24,79.23 26.24,79.26 26.24,79.28 26.25,79.31 26.26,79.33 26.28,79.35 26.31,79.37 26.33,79.38 26.36,79.38 26.76,79.38 26.79,79.38 26.81,79.39 26.84,79.41 26.86,79.43 26.87,79.45 26.88,79.48 26.88,79.51 26.88,86.63 v2(27.66,87.4)